# KiCad board Duet3_MB_6HC.kicad_pcb (continued)
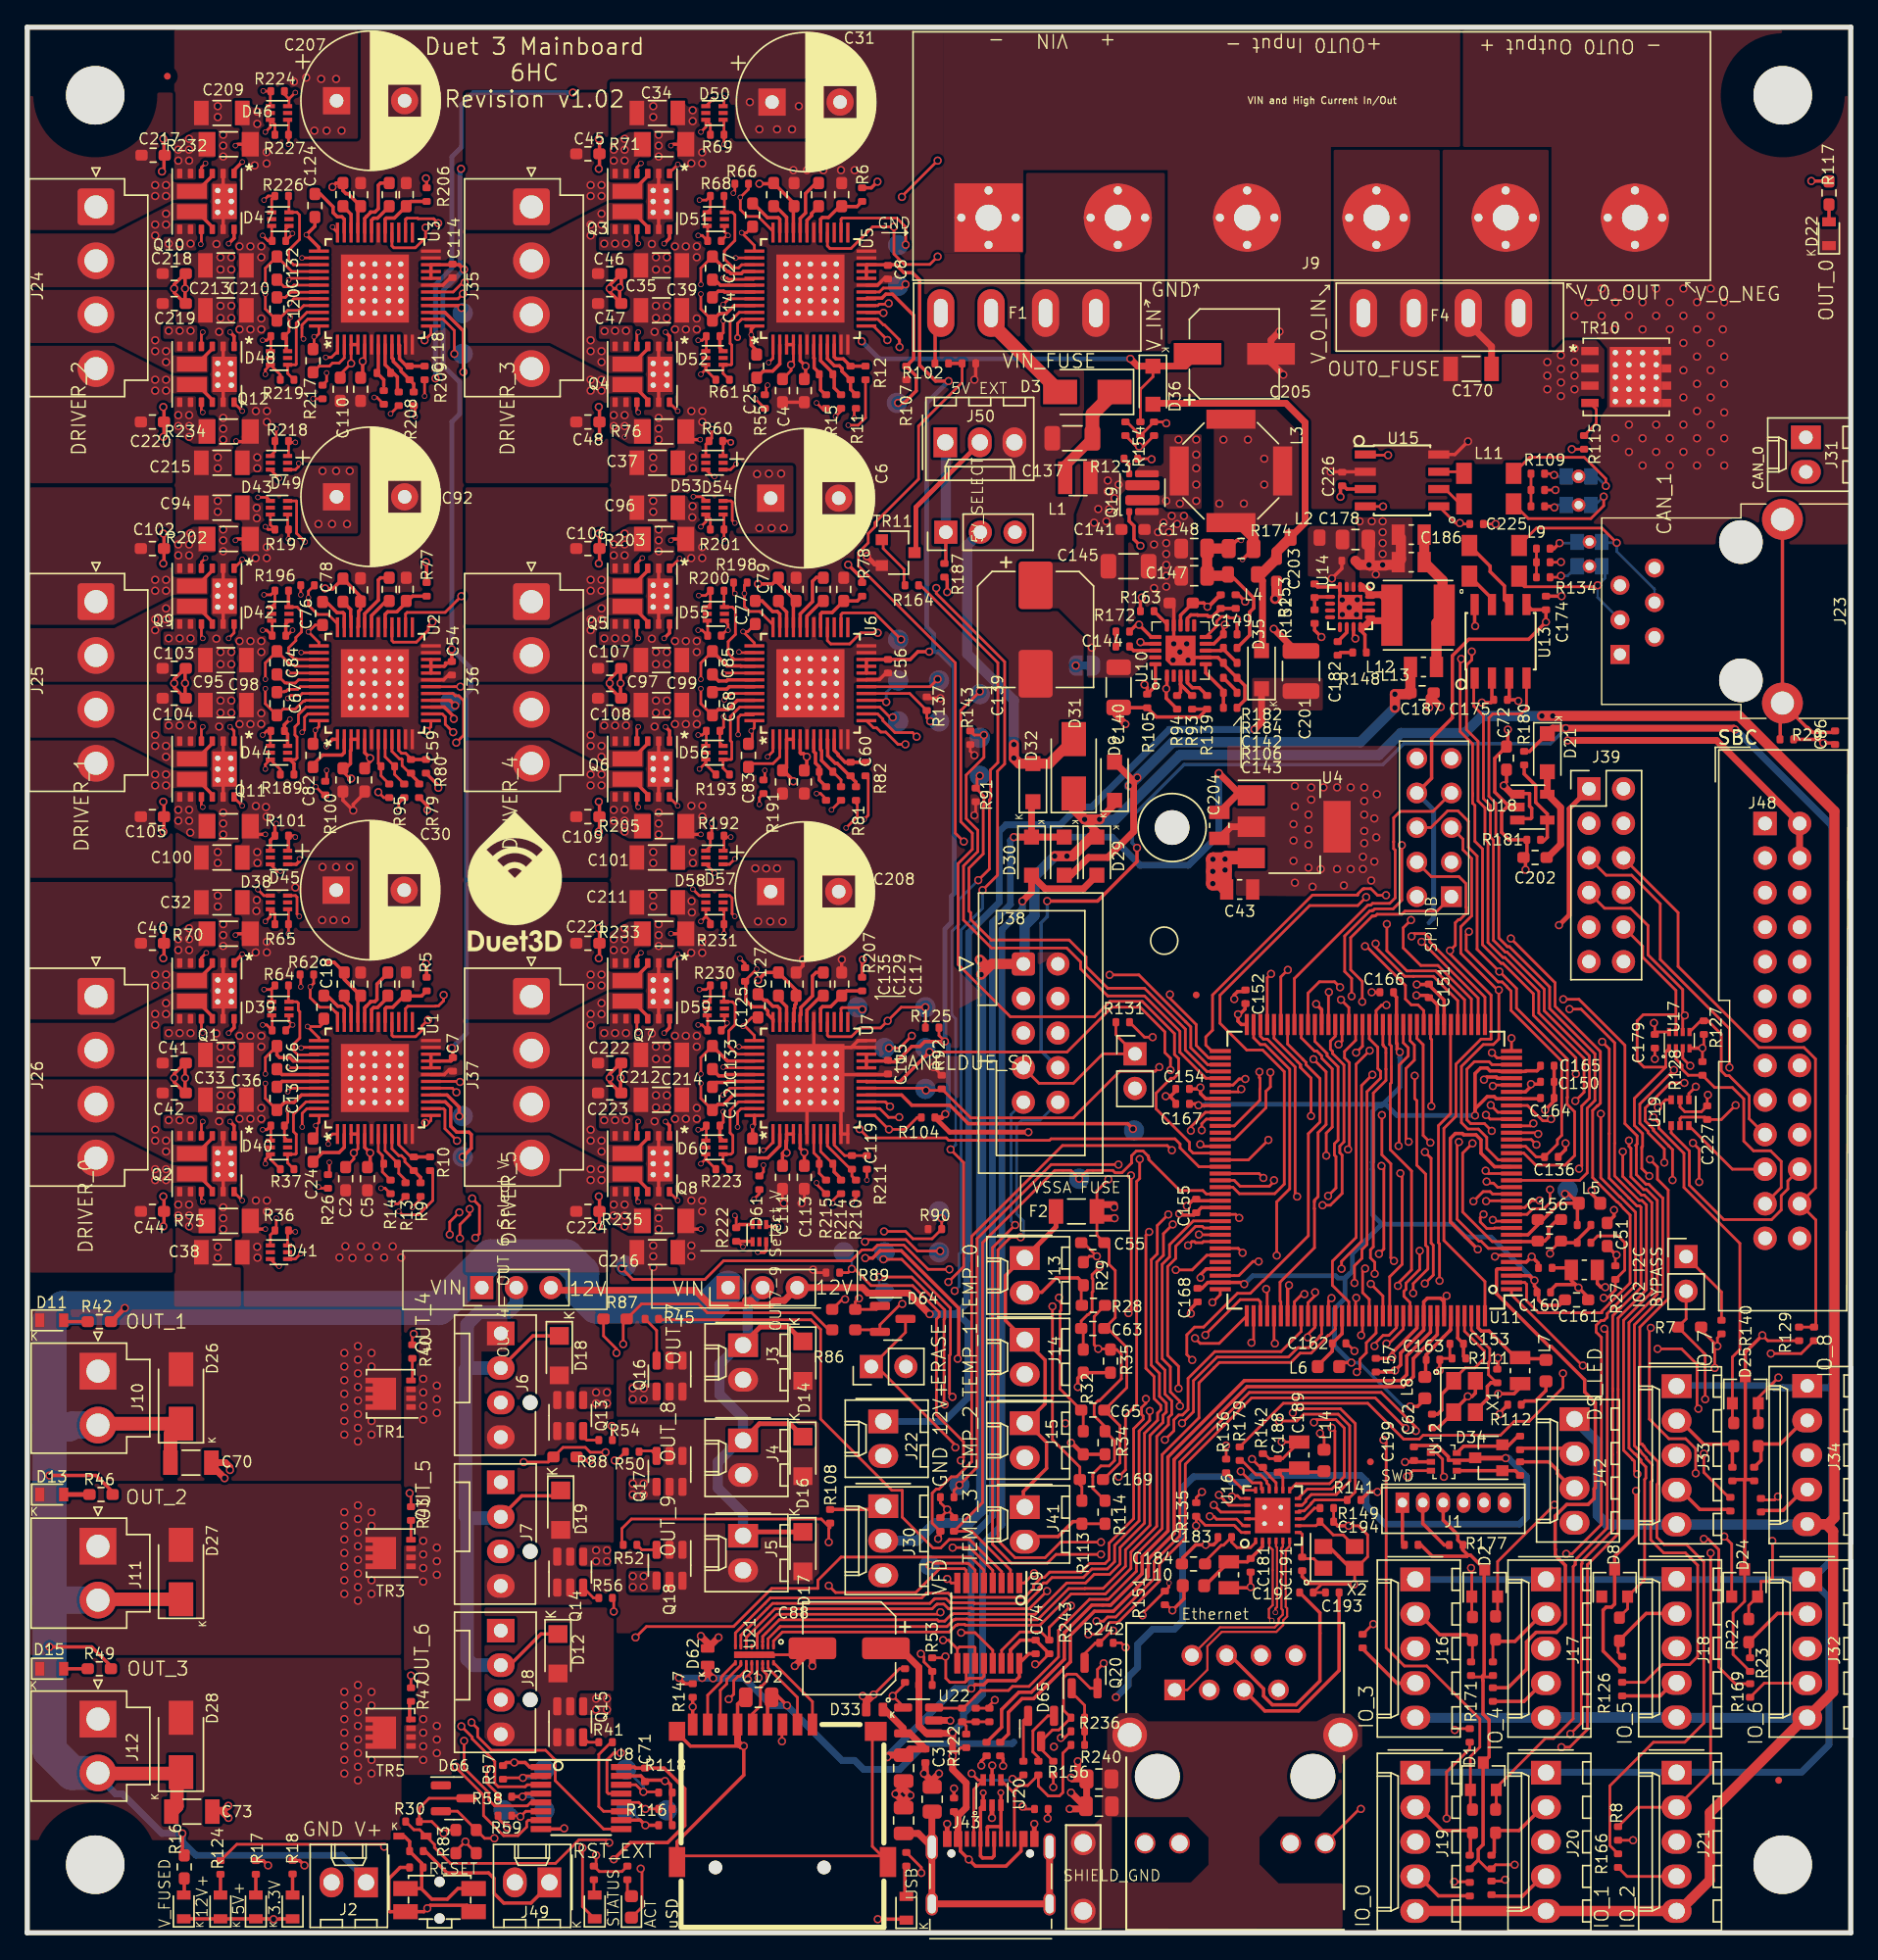
[diagram p0: board, top side]
## Routing (per net, layer and track width the routed paths; a pad name or vN(x,y) marks a point on that pad's centre or on a via; arc(x,y) is an arc through that point) (continued)
  In1.Cu w0.2: v1(114.03,56.13) 113.6,55.7 108.3,55.7 107.42,56.59 106.85,56.59 105.8,55.54 101.48,55.54 101.15,55.2 100.55,55.2 100.22,55.54 91.87,55.54 v1(91.62,55.29)
CC1: length 15.7
  Top w0.2: v1(75.95,14.32) 76.22,14.32 R238.2 ; v1(72.4,11.3) 72.9,11.3 R183.2 ; 69.55,6.9 69.55,10.53 70.25,11.22 69.88,11.22 v1(69.4,11.7)
  In1.Cu w0.2: v1(75.95,14.32) 75.24,14.32 72.4,11.48 v1(72.4,11.3)
  Bottom w0.2: v1(69.4,11.7) 69.9,11.2 72.3,11.2 v1(72.4,11.3)
CC2: length 14
  Top w0.2: R240.2 76.1,13.2 76.1,10.3 75.85,10.05 75.03,10.05 74.3,10.78 R144.2 73.52,10.82 72.89,10.82 72.55,10.48 72.55,10.22 ; 72.55,10.22 72.54,10.22 72.54,6.9 72.55,6.9 ; 72.55,10.22 71.55,11.22
DN: length 10
  Top w0.25: R121.1 70.11,12.61 v1(70.11,12.29) ; v3(70.25,10.29) U20.1 70.05,9.18 70.05,5.65 70.2,5.5 70.9,5.5 71.05,5.65 71.05,6.9
  In1.Cu w0.25: v1(70.11,12.29) 70.25,12.15 v3(70.25,10.29)
DP: length 8.3
  Top w0.25: 71.55,7.75 71.5,7.8 70.59,7.8 70.55,7.76 70.55,6.9 ; 71.55,7.75 71.55,6.9 ; 71.55,7.75 U20.3 71.55,10.29 v3(71.54,10.3) ; R120.1 71.71,12.79 v1(71.71,12.26)
  In1.Cu w0.25: 71.55,12.26 v1(71.71,12.26) 71.54,12.09 v3(71.54,10.3)
DRIVER_0_A1: length 18
  Top w0.2: v2(17.5,63.1) 17.5,64.3 C26.1
  Top w0.25: Q1.15 12.65,68.27 13.6,67.32 Q1.10 ; U1.40 19.55,64.05 19.3,64.3 18.54,64.3 18.35,64.49 C26.1
  In1.Cu w0.2: v1(9.4,66.7) 9.4,66 12.3,63.1 v2(17.5,63.1)
  vias: v1(9.4,67.5) v1(10.2,68.3) v1(10.2,67.5)
DRIVER_0_A2: length 17.4
  Top w0.2: U1.37 21.44,65.75 v2(20.6,66.58) 21.51,66.58 21.7,66.77 21.7,67.05
  Top w0.25: Q1.13 12.47,69.95 13.6,71.08 Q1.3
  In1.Cu w0.2: v2(20.6,66.58) 20.37,66.58 18.26,68.69 18.26,69.19 16.89,70.56 15.24,70.56 15.2,70.6 10.4,70.6 v1(10.2,70.4)
  vias: v1(9.4,70.4) v1(9.4,69.6) v1(10.2,69.6)
DRIVER_0_B1: length 19.1
  Top w0.2: 21.45,60.05 21.45,59.55 v2(21.2,59.3) 21.3,59.2 21.3,58.66 21.02,58.38
  Top w0.25: Q2.10 13.6,54.62 12.65,55.57 Q2.15
  In1.Cu w0.2: v2(21.2,59.3) 20.7,59.8 20.1,59.8 19.7,59.4 19.7,55.9 18.7,54.9 10.6,54.9 v1(10.2,55.3)
  vias: v1(9.4,56.1) v1(9.4,55.3) v1(10.2,56.1)
DRIVER_0_B2: length 17.5
  Top w0.2: C13.1 17.5,61.3 v2(17.5,62.4)
  Top w0.25: Q2.13 12.65,57.43 13.6,58.38 Q2.3 ; C13.1 18.91,61.01 19.61,61.01 20.15,61.55 U1.45
  In1.Cu w0.2: v2(17.5,62.4) 12.1,62.4 9.4,59.7 v1(9.4,59)
  vias: v1(9.4,58.2) v1(10.2,58.2) v1(10.2,57.4)
DRIVER_0_DIAG0: length 100.3
  Top w0.2: v1(87.09,46.31) 87.1,46.31 87.67,46.88 U11.108 ; U1.26 27.8,67.9 27.98,68.07 30.01,68.07 30.04,68.1 30.22,68.1 30.6,68.48 v1(30.6,68.9) ; v1(62.92,49.48) 64.26,49.48 67.84,45.9 67.84,42.49 67.77,42.42 67.77,39.59 v1(67.99,39.37)
  In1.Cu w0.2: v1(87.09,46.31) 85.43,46.31 78.22,39.1 68.26,39.1 v1(67.99,39.37) ; v1(30.6,68.9) 30.6,67.78 32.65,65.73 32.65,61.93 31.84,61.13 31.76,61.13 31.07,60.45 31.07,59.34 30.73,58.99 30.73,58.88 30,58.16 30,50.44 30.96,49.48 39.42,49.48 40.56,48.34 40.56,47.32 42.94,44.93 57.3,44.93 57.37,45 57.39,45 58.58,46.19 58.58,47.49 59.99,48.9 59.99,49.02 60.34,49.37 60.84,49.37 61.29,48.92 62.36,48.92 v1(62.92,49.48)
DRIVER_0_DIR: length 96.1
  Top w0.2: U11.109 87.59,43.3 86.19,43.3 v1(85.81,43.68) ; U1.18 31.76,62.55 v1(31.8,62.51) ; v1(62.6,48.18) 64.99,48.18 67.42,45.76 67.42,45.13 67.37,45.08 67.37,38.86 v1(67.42,38.81)
  In1.Cu w0.2: v1(67.42,38.81) 67.53,38.7 78.45,38.7 83.43,43.68 v1(85.81,43.68) ; v1(31.8,62.51) 31.38,62.51 30.17,61.31 30.17,59.71 29.85,59.38 29.85,59.26 29.2,58.62 29.2,49.97 30.59,48.58 39.04,48.58 39.66,47.96 39.66,46.88 42.53,44 45.23,44 47.43,41.8 55.08,41.8 57.37,44.09 57.59,44.09 57.7,44.2 57.72,44.2 59.5,45.98 59.5,46.85 59.95,47.3 61.72,47.3 v1(62.6,48.18)
  Bottom w0.2: TP2.1 62.6,47.4 v1(62.6,48.18)
DRIVER_0_SDO: length 36.7
  Top w0.25: U1.16 30.85,61.55 31.74,60.66 v1(31.74,59.98) ; U2.15 30.65,90.05 31.35,89.35 v1(31.35,89.19)
  In1.Cu w0.25: v1(31.74,59.98) 33.2,61.44 33.2,84.06 30.35,86.91 30.35,87.84 30.37,87.87 30.37,87.99 30.37,88.22 v1(31.35,89.19)
  Bottom w0.25: v1(31.74,59.98) 31.76,60
DRIVER_0_STEP: length 103.6
  Top w0.2: U11.111 90.62,46.35 90.45,46.52 89.14,46.52 86.58,43.96 v1(86.58,43.91) ; v1(60.59,48.77) 60.32,48.5 R89.1 ; v1(60.59,48.77) 60.79,48.77 62.01,47.55 65.06,47.55 67.01,45.6 67.01,45.28 66.81,45.08 66.81,38.07 68.8,36.08 68.8,34.9 v1(68.6,34.7) ; v1(60.59,48.77) 60.59,48.71 60.7,48.6 ; v1(31.54,61.75) 31.24,62.05 U1.17
  In1.Cu w0.2: v1(31.54,61.75) 30.62,60.83 30.62,59.52 30.28,59.17 30.28,59.07 29.6,58.39 29.6,50.2 30.78,49.03 39.23,49.03 40.11,48.15 40.11,47.18 42.79,44.5 55.84,44.5 55.84,44.49 57.43,44.49 57.54,44.6 57.56,44.6 59.1,46.14 59.1,47.28 v1(60.59,48.77) ; v1(86.58,43.91) 86.58,43.34 86.32,43.08 83.43,43.08 80.4,40.06 80.4,38.81 74.47,32.87 70.43,32.87 v1(68.6,34.7)
  Bottom w0.2: v1(60.59,48.77) 60.59,49.41 TP1.1
DRIVER_1_A1: length 17.7
  Top w0.2: U2.40 19.69,93.05 19.59,93.15 19.35,93.15 C84.1 17.5,93.3 v2(17.5,92.1)
  Top w0.25: Q9.10 13.6,96.32 12.65,97.27 Q9.15
  In1.Cu w0.2: v2(17.5,92.1) 12.16,92.1 9.4,94.86 v1(9.4,95.7)
  vias: v1(9.4,96.5) v1(10.2,97.3) v1(10.2,96.5)
DRIVER_1_A2: length 16.9
  Top w0.2: U2.37 21.44,94.8 v2(20.66,95.58) 21.16,96.08 C76.1
  Top w0.25: Q9.13 12.65,99.13 13.6,100.08 Q9.3
  In1.Cu w0.2: v1(10.2,99.4) 10.4,99.6 16.84,99.6 18.1,98.34 18.1,97.58 19.39,96.29 19.74,96.29 20.45,95.58 v2(20.66,95.58)
  vias: v1(9.4,99.4) v1(9.4,98.6) v1(10.2,98.6)
DRIVER_1_B1: length 18.6
  Top w0.2: U2.48 21.44,88.62 v2(21.17,88.35) 21.17,87.54 21,87.38
  Top w0.25: Q11.10 13.6,83.62 12.65,84.57 Q11.15
  In1.Cu w0.2: v2(21.17,88.35) 20.8,88.72 20.01,88.72 19.7,88.41 19.7,85.5 18,83.8 10.7,83.8 v1(10.2,84.3)
  vias: v1(9.4,85.1) v1(9.4,84.3) v1(10.2,85.1)
DRIVER_1_B2: length 17.4
  Top w0.2: v2(17.5,91.4) 17.5,90.3 C67.1 18.8,89.9 19.7,89.9 20.3,90.5 20.4,90.5 20.45,90.55 U2.45
  Top w0.25: Q11.13 12.65,86.43 13.6,87.38 Q11.3
  In1.Cu w0.2: v1(9.4,88) 9.4,88.6 12.2,91.4 v2(17.5,91.4)
  vias: v1(9.4,87.2) v1(10.2,87.2) v1(10.2,86.4)
DRIVER_1_DIAG0: length 116.6
  Top w0.2: v1(31.9,98.2) 30.71,97.01 27.91,97.01 27.8,96.9 U2.26 ; v1(67.76,48.74) 66.2,48.74 64.41,50.53 62.49,50.53 62.13,50.17 61.33,50.17 60.53,49.37 51.17,49.37 49.8,48 44.5,48 v1(43.69,48.81) ; v1(84.4,48.7) 85.6,48.7 86.68,49.78 U11.103 ; v1(32.7,53.95) 33.23,53.42 33.23,51.36 v1(32.93,51.06)
  In1.Cu w0.2: v1(43.69,48.81) 42.19,48.81 39.94,51.06 v1(32.93,51.06) ; v1(84.4,48.7) 83.25,48.7 79.95,45.4 71.1,45.4 v1(67.76,48.74) ; v1(32.7,53.95) 35.37,56.63 35.37,94.73 v1(31.9,98.2)
DRIVER_1_DIR: length 109.4
  Top w0.2: v1(61.56,50.77) 61.72,50.93 64.58,50.93 65.42,50.08 v1(67.08,50.08) ; v1(85.3,50.5) 85.58,50.78 85.77,50.78 85.85,50.7 86.35,50.7 86.43,50.78 U11.101 ; v1(31.83,91.55) U2.18 ; v1(31.8,51.02) 31.8,52.03 32.51,52.75 v1(32.51,53.17)
  In1.Cu w0.2: v1(31.83,91.55) 34.92,88.46 34.92,57.7 32.03,54.8 32.03,53.66 v1(32.51,53.17) ; v1(67.08,50.08) 70.19,50.08 72.08,48.2 77.27,48.2 77.85,47.62 80.11,47.62 82.98,50.5 v1(85.3,50.5) ; v1(61.56,50.77) 61.01,50.22 59.95,50.22 59.1,49.37 59.1,49.21 57.73,47.84 57.73,46.54 57.04,45.85 44.32,45.85 39.79,50.38 32.44,50.38 v1(31.8,51.02)
DRIVER_1_SDO: length 34.3
  Top w0.25: v1(32.05,114.67) 32.05,117.69 30.69,119.05 U3.15 ; v1(31.44,90.17) 31.06,90.55 U2.16
  In1.Cu w0.25: v1(31.44,90.17) 30.02,91.59 30.02,94.83 30.4,95.21 30.4,98.7 32.6,100.9 32.6,114.12 v1(32.05,114.67)
DRIVER_1_STEP: length 111.5
  Top w0.2: v1(31.75,52.93) 31.05,52.23 v1(31.05,51.3) ; v1(86.1,51.3) 86.12,51.28 U11.100 ; U2.17 31.28,91.05 31.45,90.88 31.71,90.88 32.07,90.53 32.07,87.98 v1(31.52,87.44) ; v1(62.96,51.53) 64.54,51.53 65.08,50.99 66.49,50.99 R90.1 v1(67.2,52.5)
  In1.Cu w0.2: v1(86.1,51.3) 85.2,51.3 84.85,50.95 82.8,50.95 79.87,48.02 78.02,48.02 73.44,52.6 67.3,52.6 v1(67.2,52.5) ; v1(31.05,51.3) 31.4,51.66 40.19,51.66 42.44,49.41 43.94,49.41 47.1,46.25 54.62,46.25 55.36,46.99 55.36,48.43 56.72,49.79 58.96,49.79 59.78,50.62 59.94,50.62 60.85,51.53 v1(62.96,51.53) ; v1(31.52,87.44) 34.47,84.49 34.47,57.82 31.58,54.92 31.58,53.1 v1(31.75,52.93)
DRIVER_2_A1: length 17.7
  Top w0.2: U3.40 19.45,122.05 C132.1 17.5,122.3 v2(17.5,121.1)
  Top w0.25: Q10.10 13.6,125.32 12.65,126.27 Q10.15
  In1.Cu w0.2: v1(9.4,124.7) 9.4,123.9 12.2,121.1 v2(17.5,121.1)
  vias: v1(9.4,125.5) v1(10.2,126.3) v1(10.2,125.5)
DRIVER_2_A2: length 17.1
  Top w0.25: C124.1 21.14,125.38 v2(20.51,124.75) 21.44,123.82 U3.37 ; Q10.13 12.65,128.13 13.6,129.08 Q10.3
  In1.Cu w0.2: v1(10.2,128.4) 10.4,128.6 15.2,128.6 15.6,128.2 17.53,128.2 20.51,125.23 v2(20.51,124.75)
  vias: v1(9.4,128.4) v1(9.4,127.6) v1(10.2,127.6)
DRIVER_2_B1: length 18.4
  Top w0.2: C130.1 21.08,116.43 v2(21.08,117.26) 21.21,117.26 21.44,117.49 U3.48
  Top w0.25: Q12.10 13.6,112.62 12.65,113.57 Q12.15
  In1.Cu w0.2: v2(21.08,117.26) 20.74,117.6 20.09,117.6 19.64,117.15 19.64,114.44 18.1,112.9 10.6,112.9 v1(10.2,113.3)
  vias: v1(9.4,114.1) v1(9.4,113.3) v1(10.2,114.1)
DRIVER_2_B2: length 17.4
  Top w0.2: U3.45 20.32,119.55 19.97,119.2 19.13,119.2 18.39,118.45 C120.1 17.5,119.3 v2(17.5,120.4)
  Top w0.25: Q12.3 13.6,116.38 12.65,115.43 Q12.13
  In1.Cu w0.2: v1(9.4,117) 9.4,117.6 12.2,120.4 v2(17.5,120.4)
  vias: v1(9.4,116.2) v1(10.2,116.2) v1(10.2,115.4)
DRIVER_2_DIAG0: length 149
  Top w0.2: v1(70,91.2) 68.6,89.8 68.6,81.63 69.45,80.79 69.45,79.6 68.4,78.55 68.4,71.15 72.25,67.3 78.43,67.3 79.56,68.43 81.94,68.43 84.3,66.06 84.3,64.53 84.61,64.22 84.61,63.13 84.26,62.78 84.05,62.78 82.95,61.69 82.95,60.53 85.41,58.07 85.41,57.54 85.67,57.28 U11.88 ; U3.26 27.8,125.9 27.83,125.93 27.88,125.93 27.92,125.97 28.68,125.97 28.72,125.93 29.87,125.93 v1(30.2,125.6)
  In1.Cu w0.2: v1(30.2,125.6) 30.2,125.95 33.27,129.02 33.27,130.18 33.2,130.25 33.2,131.29 39.76,137.85 63.47,137.85 65.27,136.04 65.27,129.58 66.28,128.57 66.28,122.77 67.29,121.75 67.85,121.75 68.95,120.65 68.95,116.62 67.08,114.75 67.08,112.25 65.89,111.06 65.89,99.14 66,99.04 66,97.62 70,93.62 v1(70,91.2)
DRIVER_2_DIR: length 141.7
  Top w0.2: R143.2 69.6,88 v1(70.3,88) 70.3,86.36 69,85.06 69,81.85 69.85,81 69.85,79.43 68.8,78.38 68.8,74.41 70.86,72.35 76.39,72.35 77.4,71.33 77.4,70.83 79.4,68.83 82.1,68.83 84.7,66.23 84.7,64.69 86.61,62.78 U11.77 ; v1(32.15,121.24) 31.99,121.24 31.3,120.55 U3.18
  In1.Cu w0.2: v1(70.3,88) 69.4,88.9 69.4,93.65 65.6,97.45 65.6,98.87 65.49,98.98 65.49,111.23 66.62,112.36 66.62,115.87 68.5,117.75 68.5,120.46 67.66,121.3 66.9,121.3 65.83,122.37 65.83,128.24 64.82,129.24 64.82,135.85 63.28,137.4 39.95,137.4 33.67,131.13 33.67,122.76 v1(32.15,121.24)
DRIVER_2_SDO: length 65.3
  Top w0.25: v1(62.92,119.01) 62.88,119.05 U5.15 ; U3.16 31.74,119.55 v1(31.91,119.38)
  In1.Cu w0.25: v1(62.92,119.01) 62.62,119.31 62.62,126.79 63.92,128.1 63.92,135.48 62.91,136.5 40.51,136.5 34.5,130.49 34.5,121.8 32.08,119.38 v1(31.91,119.38)
DRIVER_2_STEP: length 136.7
  Top w0.2: v1(70,85) 69.8,84.8 69.8,84 70.3,83.5 70.3,82.8 70.25,82.75 70.25,79.27 69.2,78.22 69.2,75.07 69.32,74.94 69.32,74.45 70.84,72.94 76.56,72.94 77.8,71.7 77.8,70.99 79.4,69.39 82.1,69.39 85.1,66.39 85.1,64.86 86.68,63.28 U11.76 ; v1(32.02,120.42) 31.65,120.05 U3.17
  In1.Cu w0.2: v1(70,85) 69,86 69,93.49 65.2,97.29 65.2,98.7 65.09,98.81 65.09,111.4 65.8,112.11 65.8,121.76 65.38,122.19 65.38,128.05 64.37,129.05 64.37,135.67 63.09,136.95 40.14,136.95 34.07,130.88 34.07,121.97 32.52,120.42 v1(32.02,120.42)
DRIVER_3_A1: length 17.8
  Top w0.2: C27.1 49.5,122.3 v2(49.5,121.1)
  Top w0.25: Q3.10 45.6,125.32 44.65,126.27 Q3.15 ; C27.1 51.45,122.05 51.56,122.05 51.71,121.9 52.47,121.9 52.62,122.05 U5.40
  In1.Cu w0.2: v2(49.5,121.1) 44.3,121.1 41.4,124 v1(41.4,124.7)
  vias: v1(41.4,125.5) v1(42.2,126.3) v1(42.2,125.5)
DRIVER_3_A2: length 16.5
  Top w0.2: C19.1 52.85,124.9 v2(52.5,124.9) 53.44,123.96 U5.37
  Top w0.25: Q3.3 45.6,129.08 44.65,128.13 Q3.13
  In1.Cu w0.2: v2(52.5,124.9) 52.19,124.9 49.99,127.1 49.99,127.47 49.45,128.01 47.94,128.01 47.35,128.6 42.4,128.6 v1(42.2,128.4)
  vias: v1(41.4,128.4) v1(41.4,127.6) v1(42.2,127.6)
DRIVER_3_B1: length 19.3
  Top w0.25: Q4.15 44.47,113.75 45.6,112.62 Q4.10 ; 53.6,116.25 53.2,116.65 53.2,117.81 U5.48
  In1.Cu w0.2: v2(53.2,117.4) 52.8,117.8 52,117.8 51.6,117.4 51.6,114.5 49.9,112.8 42.7,112.8 v1(42.2,113.3)
  vias: v1(41.4,114.1) v1(41.4,113.3) v1(42.2,114.1)
DRIVER_3_B2: length 17.8
  Top w0.2: v2(49.5,120.4) 49.5,119.3 C14.1
  Top w0.25: Q4.13 44.47,115.25 45.6,116.38 Q4.3 ; C14.1 50.86,118.96 51.36,118.96 51.95,119.55 U5.45
  In1.Cu w0.2: v2(49.5,120.4) 44.3,120.4 41.4,117.5 v1(41.4,117)
  vias: v1(41.4,116.2) v1(42.2,116.2) v1(42.2,115.4)
DRIVER_3_DIAG0: length 98.4
  Top w0.2: v1(64.55,124.02) 64.55,125.33 63.9,125.98 59.88,125.98 59.8,125.9 U5.26 ; U11.39 106.12,68.61 103.66,71.07 102.4,71.07 101.11,72.36 101.11,73.84 v1(101.68,74.41)
  In1.Cu w0.2: v1(101.68,74.41) 100.58,75.51 98.65,75.51 98.64,75.49 98.14,75.49 98.13,75.51 76.09,75.51 70.1,81.5 69.35,81.5 68.6,82.25 68.6,93.32 64.8,97.12 64.8,98.54 64.69,98.65 64.69,111.62 65.35,112.28 65.35,121.57 64.55,122.38 v1(64.55,124.02)
DRIVER_3_DIR: length 94.2
  Top w0.2: v1(101.73,73.21) 101.93,73.41 102.71,73.41 103.06,73.06 103.06,72.8 107.12,68.74 U11.37 ; U5.18 62.62,120.55 62.91,120.83 64.26,120.83 v1(64.54,121.11)
  In1.Cu w0.2: v1(101.73,73.21) 101.43,73.21 100.51,74.13 100.51,74.41 100.21,74.71 98.99,74.71 98.97,74.69 97.81,74.69 97.79,74.71 70.49,74.71 68.2,77 68.2,93.16 64.38,96.98 64.38,98.39 64.29,98.48 64.29,102.43 64.2,102.52 64.2,111.75 64.9,112.45 64.9,120.75 v1(64.54,121.11)
DRIVER_3_SDO: length 36.5
  Top w0.2: U5.16 62.51,119.55 62.61,119.65 63.24,119.65 v1(63.3,119.71) ; v1(63.6,89.3) 63.4,89.3 62.65,90.05 U6.15
  In1.Cu w0.2: v1(63.3,119.71) 63.55,119.47 63.55,118.66 63.13,118.24 62.91,118.24 62.12,117.45 62.12,116.8 62.17,116.75 62.17,116.64 62.2,116.62 62.2,101.49 62.3,101.39 62.3,100.89 62.28,100.88 62.28,96.67 61.79,96.18 61.79,95.01 62.28,94.52 62.28,90.2 63.18,89.3 v1(63.6,89.3)
DRIVER_3_STEP: length 94
  Top w0.2: U11.38 106.62,68.68 102.49,72.81 v1(102.46,72.81)
  Top w0.25: 64.67,115.03 65.32,114.38 65.32,113.28 64.44,112.4 v1(64,112.4) ; R107.1 65.13,115.63 65.13,118.84 63.59,120.38 63.09,120.38 62.81,120.1 61.71,120.1 U5.17
  In1.Cu w0.2: v1(64,112.4) 63.8,112.2 63.8,102.35 63.89,102.26 63.89,98.32 63.98,98.23 63.98,96.79 64.89,95.88 64.89,92.06 67.38,89.57 67.38,76.52 69.99,73.91 97.46,73.91 97.48,73.89 99.28,73.89 99.66,73.51 100.43,73.51 101.33,72.61 102.26,72.61 v1(102.46,72.81)
DRIVER_4_A1: length 17.6
  Top w0.2: C85.1 49.5,93.3 v2(49.5,92.1)
  Top w0.25: C85.1 51.42,93.08 52.43,93.08 52.45,93.05 U6.40 ; Q5.10 45.6,96.32 44.65,97.27 Q5.15
  In1.Cu w0.2: v2(49.5,92.1) 44.3,92.1 41.4,95 v1(41.4,95.7)
  vias: v1(41.4,96.5) v1(42.2,97.3) v1(42.2,96.5)
DRIVER_4_A2: length 16.8
  Top w0.2: C77.1 52.95,95.6 v2(52.6,95.6) 53.44,94.76 U6.37
  Top w0.25: Q5.3 45.6,100.08 44.65,99.13 Q5.13
  In1.Cu w0.2: v2(52.6,95.6) 52.6,95.7 52.06,96.24 51.44,96.24 50.03,97.64 50.03,98.27 48.94,99.35 47.61,99.35 47.37,99.6 42.4,99.6 v1(42.2,99.4)
  vias: v1(41.4,99.4) v1(41.4,98.6) v1(42.2,98.6)
DRIVER_4_B1: length 18.4
  Top w0.2: U6.48 53.44,88.54 v2(53.2,88.3) 53.28,88.22 53.28,87.66 53,87.38
  Top w0.25: Q6.10 45.6,83.62 44.65,84.57 Q6.15
  In1.Cu w0.2: v2(53.2,88.3) 52.9,88.6 52.1,88.6 51.7,88.2 51.7,85.5 50.1,83.9 42.6,83.9 v1(42.2,84.3)
  vias: v1(41.4,85.1) v1(41.4,84.3) v1(42.2,85.1)
DRIVER_4_B2: length 17.8
  Top w0.2: C68.1 49.5,90.3 v2(49.5,91.4)
  Top w0.25: C68.1 50.76,89.86 51.49,89.86 52.18,90.55 U6.45 ; Q6.3 45.6,87.38 44.47,86.25 Q6.13
  In1.Cu w0.2: v2(49.5,91.4) 44.2,91.4 41.4,88.6 v1(41.4,88)
  vias: v1(41.4,87.2) v1(42.2,87.2) v1(42.2,86.4)
DRIVER_4_DIAG0: length 111.2
  Top w0.2: U6.26 59.8,96.85 59.92,96.97 62.26,96.97 v1(64.21,95.02) ; v1(109.02,73.05) 112.27,69.8 112.27,68.07 115.6,64.74 115.6,60.95 115.42,60.77 115.38,60.77 115.03,60.41 115.03,55.48 116.82,53.69 116.87,53.69 117.1,53.45 117.29,53.23 117.78,52.73 117.78,47.74 115.7,45.66 115.7,45.55 111.06,45.55 110.17,46.43 110.17,47.65 110.04,47.78 U11.2
  In1.Cu w0.2: v1(109.02,73.05) 108.77,72.8 103.79,72.8 103.2,72.21 101.13,72.21 100.23,73.11 99.49,73.11 99.27,73.33 99.26,73.33 99.09,73.49 98.34,73.49 98.2,73.47 98.17,73.49 97.56,73.49 97.49,73.46 97.4,73.49 97.31,73.49 97.3,73.51 69.7,73.51 66.97,76.24 66.97,89.42 64.21,92.18 v1(64.21,95.02)
  Bottom w0.2: TP35.1 64.19,95 v1(64.21,95.02)
DRIVER_4_DIR: length 65.3
  Top w0.2: v1(66.9,92.1) 66.35,91.55 U6.18 ; U11.40 105.62,68.55 103.5,70.67 101.69,70.67 101.69,70.67 101.39,70.67 99.91,72.15 v1(99.91,74.11)
  In1.Cu w0.2: v1(66.9,92.1) 67.8,91.2 67.8,76.8 70.29,74.31 97.63,74.31 97.65,74.29 99.72,74.29 v1(99.91,74.11)
DRIVER_4_SDO: length 36.9
  Top w0.2: U7.15 63.05,61.05 v1(63.4,60.7) ; U6.16 63,90.55 v1(63.12,90.43)
  In1.Cu w0.2: v1(63.12,90.43) 63.4,90.43 64.23,89.6 64.23,88.9 63.46,88.13 63.46,86.83 63.78,86.5 63.78,73.92 62.62,72.76 62.62,61.48 v1(63.4,60.7)
  Bottom w0.2: v1(63.12,90.43) 63.12,91.12 TP22.1
DRIVER_4_STEP: length 63.3
  Top w0.2: v1(99.08,72.67) 99.08,72.41 101.22,70.27 101.85,70.27 101.86,70.27 103.33,70.27 105.12,68.48 U11.41 ; U6.17 64.85,91.05 R137.1 66.1,89.26 v1(66.35,89.01)
  In1.Cu w0.2: v1(66.35,89.01) 66.35,76.03 69.27,73.11 97.13,73.11 97.19,73.05 98.09,73.05 98.36,73.09 98.66,73.09 v1(99.08,72.67)
  Bottom w0.2: TP33.1 66.36,89 v1(66.35,89.01)
DRIVER_5_A1: length 17.6
  Top w0.2: v2(49.5,63.1) 49.5,64.3 C133.1
  Top w0.25: C133.1 51.37,64.13 51.38,64.13 51.46,64.05 U7.40 ; Q7.10 45.6,67.32 44.65,68.27 Q7.15
  In1.Cu w0.2: v2(49.5,63.1) 44.3,63.1 41.4,66 v1(41.4,66.7)
  vias: v1(41.4,67.5) v1(42.2,68.3) v1(42.2,67.5)
DRIVER_5_A2: length 17.1
  Top w0.2: C125.1 53.25,67.25 v2(52.6,66.6) 52.75,66.6 53.44,65.92 U7.37
  Top w0.25: Q7.3 45.6,71.08 44.65,70.13 Q7.13
  In1.Cu w0.2: v1(42.2,70.4) 42.4,70.6 47.27,70.6 47.5,70.37 49.47,70.37 52.6,67.25 v2(52.6,66.6)
  vias: v1(41.4,70.4) v1(41.4,69.6) v1(42.2,69.6)
DRIVER_5_B1: length 19.2
  Top w0.25: U7.48 53.44,59.38 v2(53.3,59.24) 53.3,59.24 C131.1 ; Q8.10 45.6,54.62 44.47,55.75 Q8.15
  In1.Cu w0.2: v2(53.3,59.24) 53.16,59.24 52.6,59.8 52,59.8 51.6,59.4 51.6,56.3 50.2,54.9 42.6,54.9 v1(42.2,55.3)
  vias: v1(41.4,56.1) v1(41.4,55.3) v1(42.2,56.1)
DRIVER_5_B2: length 17.8
  Top w0.2: v2(49.5,62.4) 49.5,61.3 C121.1
  Top w0.25: Q8.3 45.6,58.38 44.47,57.25 Q8.13 ; C121.1 50.75,60.85 51.18,60.85 51.87,61.55 U7.45
  In1.Cu w0.2: v2(49.5,62.4) 44.2,62.4 41.4,59.6 v1(41.4,59)
  vias: v1(41.4,58.2) v1(42.2,58.2) v1(42.2,57.4)
DRIVER_5_DIAG0: length 40
  Top w0.2: U7.26 59.8,67.9 59.88,67.97 61.23,67.97 v1(61.36,67.84) ; v1(61.16,59.04) 61.81,58.4 67.53,58.4 67.71,58.22 75.12,58.22 75.23,58.33 84.34,58.33 84.71,57.95 84.71,57.67 86.1,56.28 U11.90
  In1.Cu w0.2: v1(61.16,59.04) 61.5,59.38 61.5,67.7 v1(61.36,67.84)
  Bottom w0.2: TP38.1 61.16,67.84 v1(61.36,67.84)
DRIVER_5_DIR: length 40.3
  Top w0.2: U11.84 88.69,59.28 90.57,61.16 90.57,62.01 90.6,62.03 90.6,62.77 90.54,62.82 v1(90.54,63.25) ; v1(66.3,64.71) 76.41,64.71 79.7,68 81.79,68 83.6,66.19 83.6,64.67 84.01,64.26 v1(84.01,63.38)
  Top w0.25: v1(66.3,64.71) 64.11,62.52 61.69,62.52 U7.18
  In1.Cu w0.2: v1(90.54,63.25) 90.41,63.38 v1(84.01,63.38)
DRIVER_5_STEP: length 40.3
  Top w0.2: v1(91.35,63.21) 91.35,62.15 91.02,61.82 91.02,60.61 88.69,58.28 U11.86 ; U7.17 65.88,62.05 v1(66.04,61.89) 67.09,61.89 R92.1 69.33,59.87 76.86,59.87 80.29,63.3 82.89,63.3 v1(83.19,63.6)
  In1.Cu w0.2: v1(83.19,63.6) 83.87,64.28 90.77,64.28 91.35,63.7 v1(91.35,63.21)
DRIVER_CS: length 249.8
  Top w0.2: 61.82,118.05 62.17,118.05 v1(63.21,117.02) ; v1(65,65.9) 64.1,65 v1(63.33,65) ; v1(29.2,117) 29.66,117.46 U3.13 ; v1(64.53,87.31) 63.99,87.31 63.08,88.22 62.73,88.22 62.42,88.53 62.19,88.53 U6.13 ; U2.13 29.66,88.6 v1(29.35,88.29) ; U1.13 29.66,59.68 29.5,59.51 v1(29.25,59.51) ; R104.1 65.4,59.9 64.53,59.03 v1(63.33,59.03) 63.3,59.03 62.28,60.05 U7.13 ; U11.74 86.81,64.28 85.9,65.19 85.9,66.72 83.83,68.8 v1(83.97,68.94) ; v1(64.27,127.53) 64.27,127.57 v1(66.9,130.2)
  In1.Cu w0.2: v1(65,65.9) 64.67,65.57 64.67,60.5 64.77,60.4 64.77,59.07 64.5,58.8 64.1,58.8 ; v1(64.27,127.53) 64.29,127.52 64.29,124.61 63.94,124.26 63.94,120.86 64.45,120.35 64.45,118.16 63.6,117.32 63.51,117.32 v1(63.21,117.02) 63.21,113.46 63,113.25 63,102.02 63.09,101.93 63.09,92.2 63.09,91.87 65.13,89.84 65.13,88.53 64.53,87.93 v1(64.53,87.31) 64.64,87.2 64.64,73.58 64.33,73.26 64.33,66.93 63.33,65.93 v1(63.33,65) ; 65.03,58.8 64.66,58.8 ; 65.03,58.8 64.1,58.8 ; 65.03,58.8 65.7,59.47 75.01,59.47 75.01,59.47 75.34,59.47 75.34,59.47 76.16,59.47 76.16,59.47 76.38,59.47 77.29,60.38 77.29,64.39 81.84,68.94 v1(83.97,68.94) ; v1(66.9,130.2) 66.9,136 64.15,138.75 39.39,138.75 32.4,131.76 32.4,129.92 32.47,129.85 32.47,129.35 32.12,129 32.05,129 28.65,125.6 28.65,117.55 v1(29.2,117) 29.2,115.95 31.62,113.52 31.62,101.16 29.15,98.69 29.15,88.49 v1(29.35,88.29) 29.35,86.64 31.29,84.69 31.29,84.68 31.47,84.5 31.47,83.3 31.36,83.19 31.36,71.19 28.7,68.53 28.7,66.97 29.74,65.93 29.74,60.01 v1(29.25,59.51) ; 64.1,58.8 63.87,59.03 v1(63.33,59.03)
DRIVER_ENN: length 252.7
  Top w0.2: v1(29.77,96.3) 29.47,96 29.47,95.7 28.6,94.82 26.91,94.82 26.8,94.93 U2.28 ; v1(29.27,125.27) 29.27,124.55 28.52,123.8 26.93,123.8 26.8,123.93 U3.28 ; v1(62.49,95.51) 61.26,95.51 60.44,94.69 59.04,94.69 58.8,94.93 U6.28 ; U5.28 58.8,123.93 58.99,123.74 60.53,123.74 62.13,125.34 v1(63.69,125.34) 63.69,123.33 64.45,122.57 66.33,122.57 v1(66.9,123.15) ; U1.28 26.8,65.93 26.89,65.84 28.54,65.84 29,66.3 29,66.62 v1(29.45,67.07) ; U11.75 86.74,63.78 85.5,65.02 85.5,66.56 85.14,66.92 81.68,70.38 v1(79.53,70.38) ; R125.1 v1(66,68) 64.23,68 v1(63.23,67) 62.7,66.47 61.2,66.47 60.56,65.84 58.89,65.84 58.8,65.93 U7.28
  In1.Cu w0.2: v1(66,68) 67.79,69.79 73.68,69.79 74.35,69.12 74.35,68.16 75.11,67.4 76.56,67.4 v1(79.53,70.38) ; v1(63.69,125.34) 63.07,124.72 63.07,120.83 64,119.9 64,118.35 63.44,117.79 63.1,117.79 62.57,117.26 62.57,116.81 62.6,116.78 62.6,101.86 62.69,101.76 62.69,95.71 v1(62.49,95.51) 62.69,95.31 62.69,91.7 64.68,89.72 64.68,88.71 63.91,87.94 63.91,87.01 64.21,86.71 64.21,73.71 63.23,72.73 v1(63.23,67) ; v1(66.9,123.15) 66.9,128.79 65.72,129.96 65.72,136.23 63.65,138.3 39.57,138.3 32.8,131.52 32.8,130.09 32.87,130.01 32.87,129.18 32.29,128.6 32.21,128.6 29.27,125.66 v1(29.27,125.27) 30.05,124.5 30.05,115.66 32.07,113.64 32.07,101.01 29.77,98.71 v1(29.77,96.3) 29.77,95.88 29.57,95.68 29.57,91.33 29.92,90.98 29.92,88.56 29.95,88.54 29.95,88.04 29.9,87.99 29.9,86.72 31.78,84.84 31.78,84.75 31.87,84.66 31.87,71.1 29.45,68.68 v1(29.45,67.07)
DS_LED_CK_BUFF: length 5.1
  Top w0.25: R185.1 111.82,34.6 112.45,33.97 112.45,33.74 113.57,32.62 113.8,32.62
DS_LED_DO_BUFF: length 4.3
  Top w0.25: 113.8,35.16 113.36,35.6 109.81,35.6 R186.1
ERASE: length 36.2
  Top w0.2: U11.87 86.34,57.78 v1(86.2,57.93) ; v1(80.92,45.53) 81.12,45.72 81.12,55.63 v1(81.11,55.64)
  In1.Cu w0.2: 64.56,41.6 67.97,45 80.4,45 v1(80.92,45.53) ; v1(81.11,55.64) 81.46,55.64 83.49,57.68 83.49,57.98 83.61,58.1 84.21,58.1 84.33,58.21 84.46,58.21 84.74,57.93 v1(86.2,57.93)
ESP_DATA_RDY: length 57.7
  Top w0.2: U11.93 88.59,54.78 89.07,54.3 91.67,54.3 92.37,55 92.37,63.27 90.78,64.86 89.61,64.86 87.65,66.82 87.65,68.89 94.23,75.47 97.77,75.47 v1(98.39,76.09)
  In1.Cu w0.2: v1(98.39,76.09) 98.79,76.09 99.38,76.68 99.38,77.43 101.67,79.72 111.34,79.72 113.38,77.68 116.04,77.68 117.3,76.42
ESP_EN: length 61.6
  Top w0.2: 121.15,67.45 118.75,67.45 118.3,67 118.3,64.1 118.8,63.6 120.4,63.6 ; 121.15,67.45 U17.7 ; 121.15,67.45 121.15,69.23 118.7,71.68 118.7,72.48 117.3,73.88 ; 120.4,63.6 118.1,61.3 118.1,59.31 118.7,58.71 118.7,57.79 118.64,57.73 118.64,56.15 v1(119.19,55.6) ; 120.4,63.6 120.4,64.73 U17.1 ; v1(89.06,52.52) 88.8,52.78 U11.97
  In1.Cu w0.2: v1(119.19,55.6) 114.61,55.6 114.29,55.28 110.92,55.28 110.02,54.38 106.34,54.38 106.3,54.34 101.98,54.34 101.64,54 100.06,54 99.76,54.3 97.48,54.3 95.77,52.59 89.13,52.59 v1(89.06,52.52)
GMDC: length 22.5
  Top w0.2: v1(92,37.6) 93.3,37.6 93.8,38.1 96.33,38.1 97.18,37.25 97.18,33.18 96.2,32.2 94.36,32.2 93.95,31.79 93.95,31.68 93.68,31.41 U16.11 ; v1(91.68,43.3) 91.62,43.36 U11.113
  In1.Cu w0.2: v1(92,37.6) 91.43,38.17 91.43,43.05 v1(91.68,43.3)
GMDIO: length 25.4
  Top w0.2: U16.10 93.46,31 93.83,31 94.35,31.52 94.35,31.55 94.6,31.8 R141.2 97.59,32.39 97.59,37.41 96.5,38.5 93.3,38.5 v1(93,38.2) ; v1(89.96,43.35) 90.12,43.51 U11.110
  In1.Cu w0.2: v1(89.96,43.35) 90.88,43.35 91.43,43.9 91.93,43.9 93,42.83 v1(93,38.2)
GRX0: length 19.1
  Top w0.2: U11.125 97.62,46.61 v1(97.66,46.65) ; U16.13 93.25,33 95.7,33 96.09,33.39 96.09,36.87 v1(95.86,37.1)
  In1.Cu w0.2: v1(95.86,37.1) 95.86,42.92 97.66,44.72 v1(97.66,46.65)
GRX1: length 21.8
  Top w0.2: U11.121 95.62,46.41 v1(95.84,46.63) ; v1(94.55,37.5) 94.75,37.7 96.17,37.7 96.78,37.09 96.78,33.52 95.86,32.6 94.07,32.6 U16.12
  In1.Cu w0.2: v1(95.84,46.63) 95.84,44.35 93.94,42.45 93.94,38.11 v1(94.55,37.5)
